# Allegro board meta_module_lay_rev1.brd (continued)
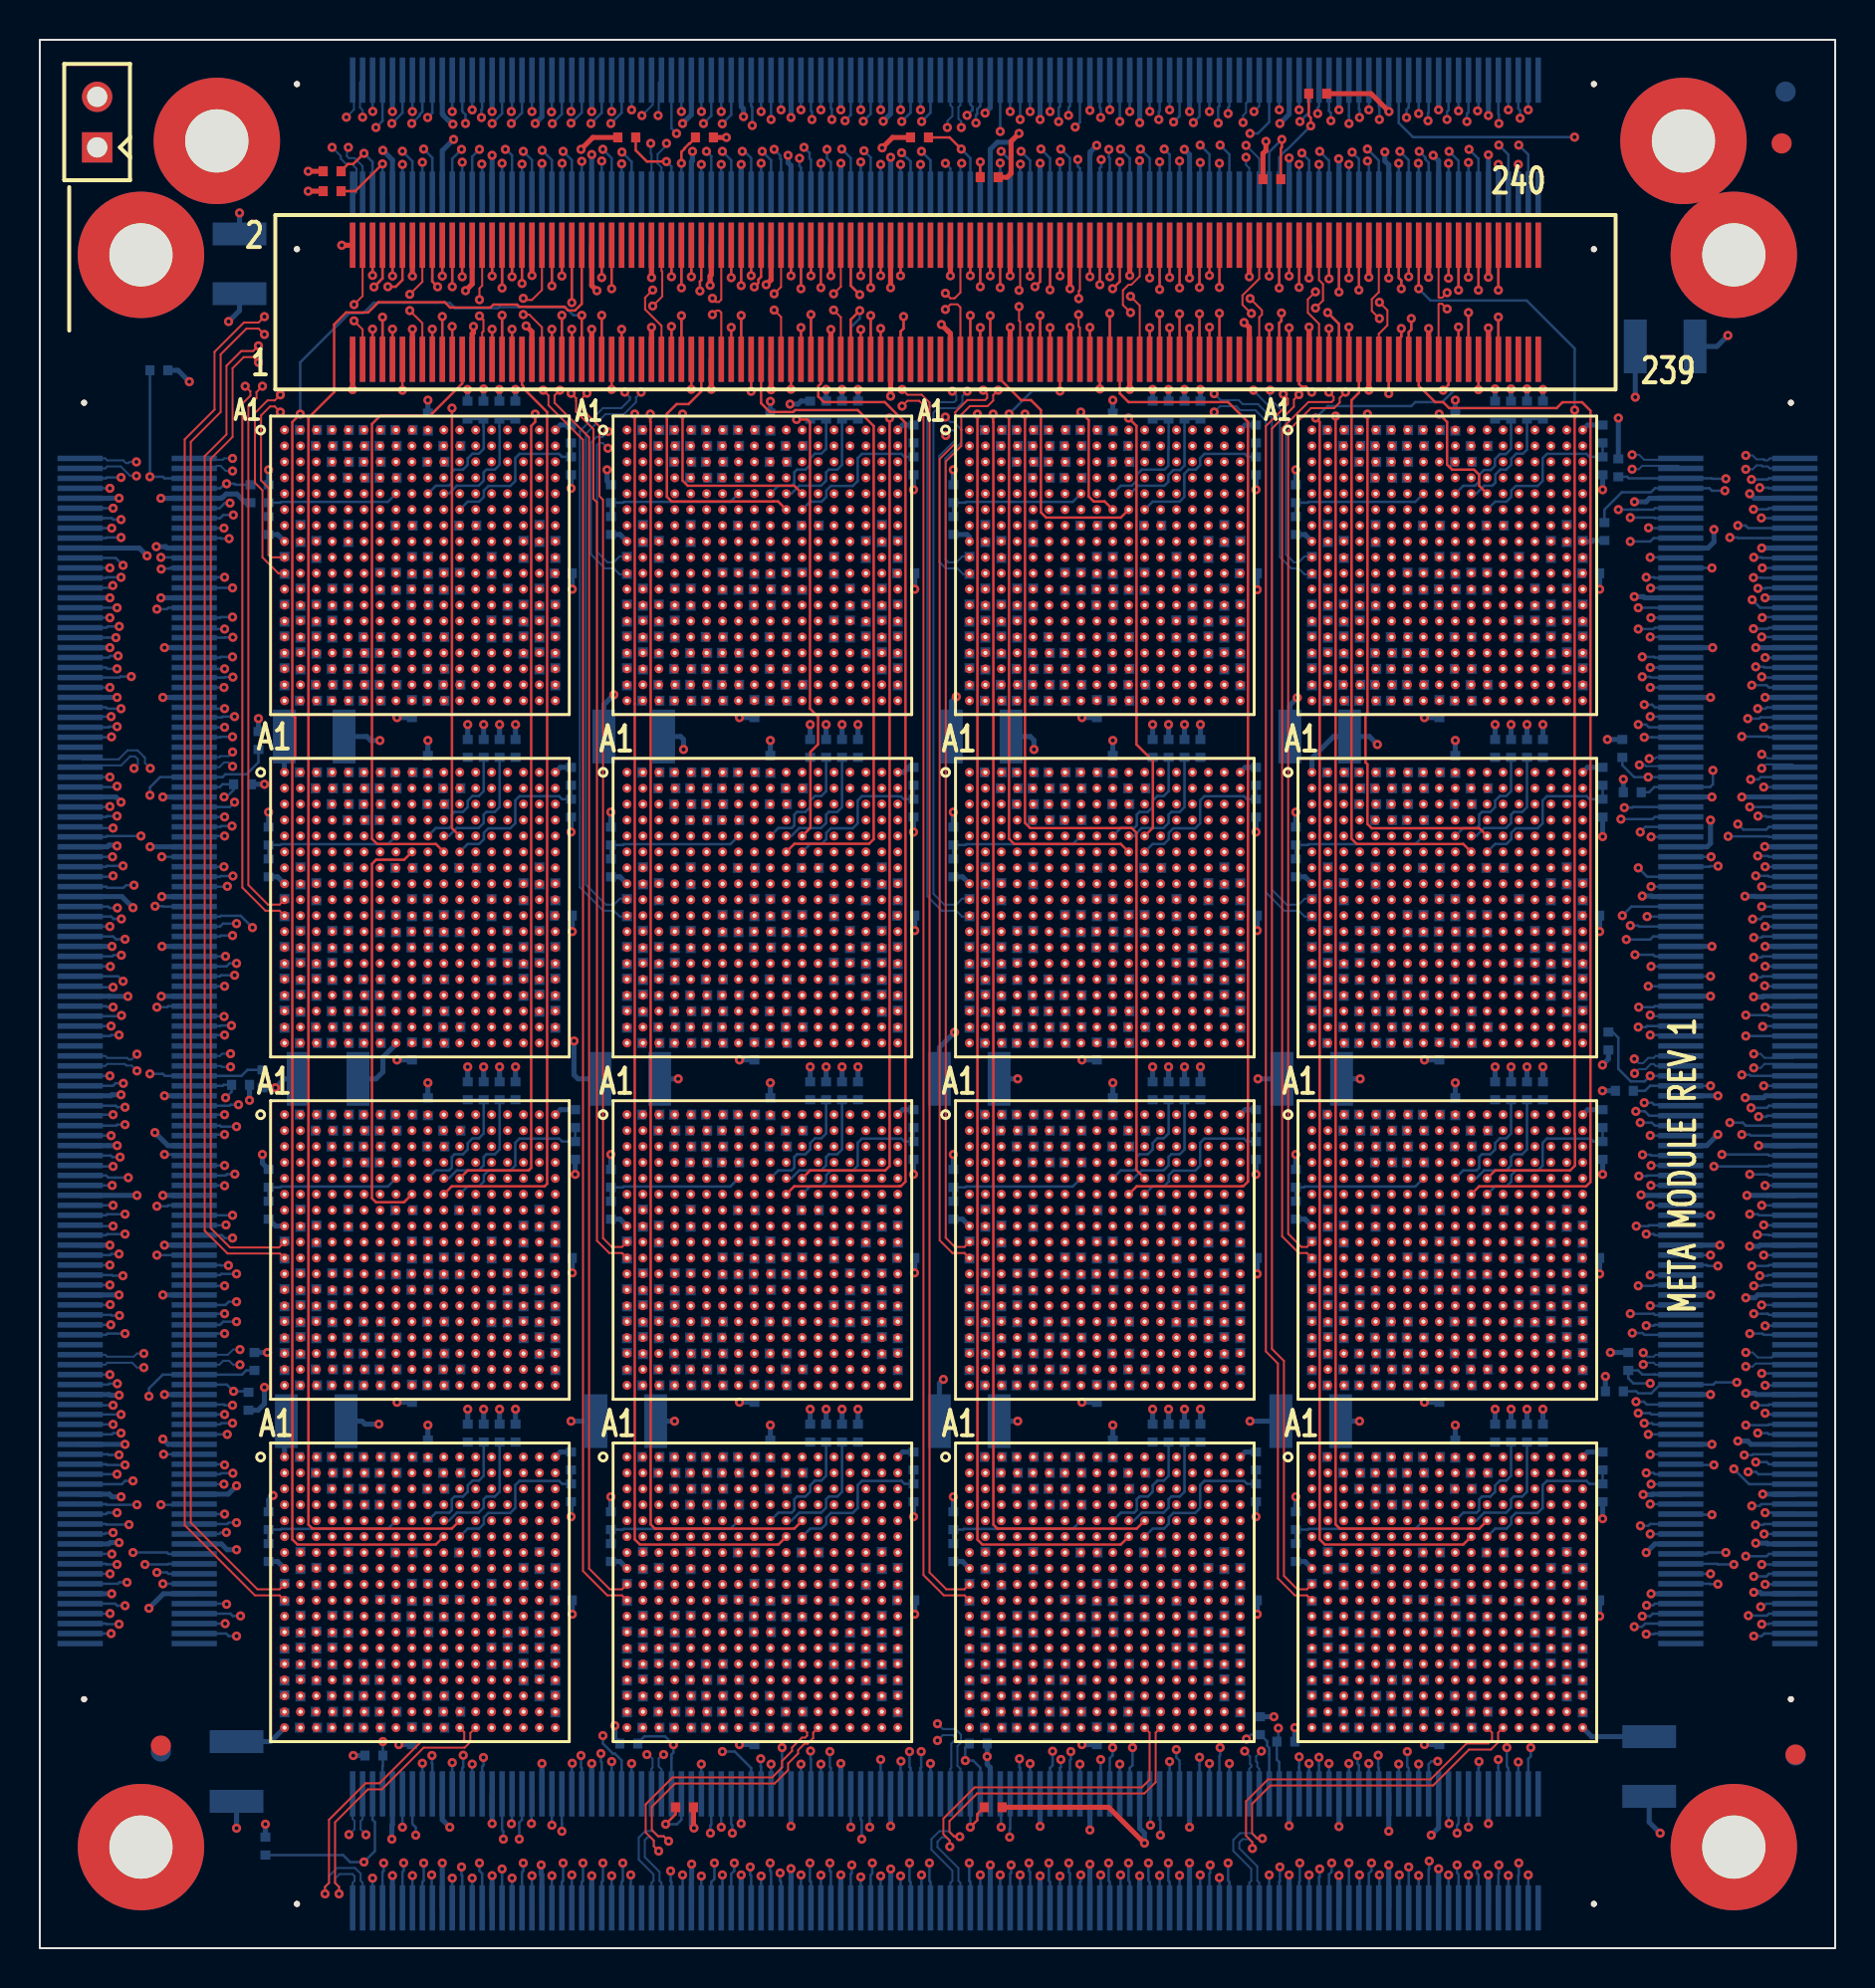
[diagram p0: board, top side]
## Nets (continued)
Q1_VDD: C3.1 C4.1 C81.1 C82.1 C83.1 C84.1 C85.1 C86.1 C87.1 C88.1 C97.1 C98.1 C99.1 C100.1 C101.1 C102.1 C103.1 C104.1 C113.1 C114.1 C115.1 C116.1 C117.1 C118.1 C119.1 C120.1 C129.1 C130.1 C131.1 C132.1 C133.1 C134.1 C135.1 C136.1 J1.41 J1.42 J1.101(41) J1.102(42) J3.161(41) J3.162(42) J3.221(41) J3.222(42) U5.H6(VDD#H6) U5.H8(VDD#H8) U5.H10(VDD#H10) U5.H12(VDD#H12) U5.J7(VDD#J7) U5.J9(VDD#J9) U5.J11(VDD#J11) U5.J13(VDD#J13) U5.K6(VDD#K6) U5.K8(VDD#K8) U5.K10(VDD#K10) U5.K12(VDD#K12) U5.L7(VDD#L7) U5.L9(VDD#L9) U5.L11(VDD#L11) U5.L13(VDD#L13) U5.M6(VDD#M6) U5.M8(VDD#M8) U5.M10(VDD#M10) U5.M12(VDD#M12) U5.N7(VDD#N7) U5.N9(VDD#N9) U5.N11(VDD#N11) U5.N13(VDD#N13) U6.H6(VDD#H6) U6.H8(VDD#H8) U6.H10(VDD#H10) U6.H12(VDD#H12) U6.J7(VDD#J7) U6.J9(VDD#J9) U6.J11(VDD#J11) U6.J13(VDD#J13) U6.K6(VDD#K6) U6.K8(VDD#K8) U6.K10(VDD#K10) U6.K12(VDD#K12) U6.L7(VDD#L7) U6.L9(VDD#L9) U6.L11(VDD#L11) U6.L13(VDD#L13) U6.M6(VDD#M6) U6.M8(VDD#M8) U6.M10(VDD#M10) U6.M12(VDD#M12) U6.N7(VDD#N7) U6.N9(VDD#N9) U6.N11(VDD#N11) U6.N13(VDD#N13) U7.H6(VDD#H6) U7.H8(VDD#H8) U7.H10(VDD#H10) U7.H12(VDD#H12) U7.J7(VDD#J7) U7.J9(VDD#J9) U7.J11(VDD#J11) U7.J13(VDD#J13) U7.K6(VDD#K6) U7.K8(VDD#K8) U7.K10(VDD#K10) U7.K12(VDD#K12) U7.L7(VDD#L7) U7.L9(VDD#L9) U7.L11(VDD#L11) U7.L13(VDD#L13) U7.M6(VDD#M6) U7.M8(VDD#M8) U7.M10(VDD#M10) U7.M12(VDD#M12) U7.N7(VDD#N7) U7.N9(VDD#N9) U7.N11(VDD#N11) U7.N13(VDD#N13) U8.H6(VDD#H6) U8.H8(VDD#H8) U8.H10(VDD#H10) U8.H12(VDD#H12) U8.J7(VDD#J7) U8.J9(VDD#J9) U8.J11(VDD#J11) U8.J13(VDD#J13) U8.K6(VDD#K6) U8.K8(VDD#K8) U8.K10(VDD#K10) U8.K12(VDD#K12) U8.L7(VDD#L7) U8.L9(VDD#L9) U8.L11(VDD#L11) U8.L13(VDD#L13) U8.M6(VDD#M6) U8.M8(VDD#M8) U8.M10(VDD#M10) U8.M12(VDD#M12) U8.N7(VDD#N7) U8.N9(VDD#N9) U8.N11(VDD#N11) U8.N13(VDD#N13)
Q1_VDDIO: C11.1 C12.1 C89.1 C90.1 C91.1 C92.1 C93.1 C94.1 C95.1 C96.1 C105.1 C106.1 C107.1 C108.1 C109.1 C110.1 C111.1 C112.1 C121.1 C122.1 C123.1 C124.1 C125.1 C126.1 C127.1 C128.1 C137.1 C138.1 C139.1 C140.1 C141.1 C142.1 C143.1 C144.1 J1.21 J1.22 J1.81(21) J1.82(22) J3.141(21) J3.142(22) J3.201(21) J3.202(22) R278.2 R279.2 R280.2 R281.2 R335.2 R336.2 R337.2 R338.2 R392.2 R393.2 R394.2 R395.2 R449.2 R450.2 R451.2 R452.2 R922.1 R924.1 R926.1 R928.1 R962.1 R963.2 R966.1 R967.2 R970.1 R971.2 R974.1 R975.2 R1025.2 R1026.2 R1035.2 R1036.2 U5.G5(DVDD#G5) U5.G7(DVDD#G7) U5.G9(DVDD#G9) U5.G11(DVDD#G11) U5.G13(DVDD#G13) U5.H14(DVDD#H14) U5.J5(DVDD#J5) U5.K14(DVDD#K14) U5.L5(DVDD#L5) U5.M14(DVDD#M14) U5.N5(DVDD#N5) U5.P6(DVDD#P6) U5.P8(DVDD#P8) U5.P10(DVDD#P10) U5.P12(DVDD#P12) U5.P14(DVDD#P14) U6.G5(DVDD#G5) U6.G7(DVDD#G7) U6.G9(DVDD#G9) U6.G11(DVDD#G11) U6.G13(DVDD#G13) U6.H14(DVDD#H14) U6.J5(DVDD#J5) U6.K14(DVDD#K14) U6.L5(DVDD#L5) U6.M14(DVDD#M14) U6.N5(DVDD#N5) U6.P6(DVDD#P6) U6.P8(DVDD#P8) U6.P10(DVDD#P10) U6.P12(DVDD#P12) U6.P14(DVDD#P14) U7.G5(DVDD#G5) U7.G7(DVDD#G7) U7.G9(DVDD#G9) U7.G11(DVDD#G11) U7.G13(DVDD#G13) U7.H14(DVDD#H14) U7.J5(DVDD#J5) U7.K14(DVDD#K14) U7.L5(DVDD#L5) U7.M14(DVDD#M14) U7.N5(DVDD#N5) U7.P6(DVDD#P6) U7.P8(DVDD#P8) U7.P10(DVDD#P10) U7.P12(DVDD#P12) U7.P14(DVDD#P14) U8.G5(DVDD#G5) U8.G7(DVDD#G7) U8.G9(DVDD#G9) U8.G11(DVDD#G11) U8.G13(DVDD#G13) U8.H14(DVDD#H14) U8.J5(DVDD#J5) U8.K14(DVDD#K14) U8.L5(DVDD#L5) U8.M14(DVDD#M14) U8.N5(DVDD#N5) U8.P6(DVDD#P6) U8.P8(DVDD#P8) U8.P10(DVDD#P10) U8.P12(DVDD#P12) U8.P14(DVDD#P14)
Q2_VDD: C5.1 C6.1 C145.1 C146.1 C147.1 C148.1 C149.1 C150.1 C151.1 C152.1 C161.1 C162.1 C163.1 C164.1 C165.1 C166.1 C167.1 C168.1 C177.1 C178.1 C179.1 C180.1 C181.1 C182.1 C183.1 C184.1 C193.1 C194.1 C195.1 C196.1 C197.1 C198.1 C199.1 C200.1 J5.19 J5.20 J5.79(19) J5.80(20) J6.139(19) J6.140(20) J6.199(19) J6.200(20) U9.H6(VDD#H6) U9.H8(VDD#H8) U9.H10(VDD#H10) U9.H12(VDD#H12) U9.J7(VDD#J7) U9.J9(VDD#J9) U9.J11(VDD#J11) U9.J13(VDD#J13) U9.K6(VDD#K6) U9.K8(VDD#K8) U9.K10(VDD#K10) U9.K12(VDD#K12) U9.L7(VDD#L7) U9.L9(VDD#L9) U9.L11(VDD#L11) U9.L13(VDD#L13) U9.M6(VDD#M6) U9.M8(VDD#M8) U9.M10(VDD#M10) U9.M12(VDD#M12) U9.N7(VDD#N7) U9.N9(VDD#N9) U9.N11(VDD#N11) U9.N13(VDD#N13) U10.H6(VDD#H6) U10.H8(VDD#H8) U10.H10(VDD#H10) U10.H12(VDD#H12) U10.J7(VDD#J7) U10.J9(VDD#J9) U10.J11(VDD#J11) U10.J13(VDD#J13) U10.K6(VDD#K6) U10.K8(VDD#K8) U10.K10(VDD#K10) U10.K12(VDD#K12) U10.L7(VDD#L7) U10.L9(VDD#L9) U10.L11(VDD#L11) U10.L13(VDD#L13) U10.M6(VDD#M6) U10.M8(VDD#M8) U10.M10(VDD#M10) U10.M12(VDD#M12) U10.N7(VDD#N7) U10.N9(VDD#N9) U10.N11(VDD#N11) U10.N13(VDD#N13) U11.H6(VDD#H6) U11.H8(VDD#H8) U11.H10(VDD#H10) U11.H12(VDD#H12) U11.J7(VDD#J7) U11.J9(VDD#J9) U11.J11(VDD#J11) U11.J13(VDD#J13) U11.K6(VDD#K6) U11.K8(VDD#K8) U11.K10(VDD#K10) U11.K12(VDD#K12) U11.L7(VDD#L7) U11.L9(VDD#L9) U11.L11(VDD#L11) U11.L13(VDD#L13) U11.M6(VDD#M6) U11.M8(VDD#M8) U11.M10(VDD#M10) U11.M12(VDD#M12) U11.N7(VDD#N7) U11.N9(VDD#N9) U11.N11(VDD#N11) U11.N13(VDD#N13) U12.H6(VDD#H6) U12.H8(VDD#H8) U12.H10(VDD#H10) U12.H12(VDD#H12) U12.J7(VDD#J7) U12.J9(VDD#J9) U12.J11(VDD#J11) U12.J13(VDD#J13) U12.K6(VDD#K6) U12.K8(VDD#K8) U12.K10(VDD#K10) U12.K12(VDD#K12) U12.L7(VDD#L7) U12.L9(VDD#L9) U12.L11(VDD#L11) U12.L13(VDD#L13) U12.M6(VDD#M6) U12.M8(VDD#M8) U12.M10(VDD#M10) U12.M12(VDD#M12) U12.N7(VDD#N7) U12.N9(VDD#N9) U12.N11(VDD#N11) U12.N13(VDD#N13)
Q2_VDDIO: C13.1 C14.1 C153.1 C154.1 C155.1 C156.1 C157.1 C158.1 C159.1 C160.1 C169.1 C170.1 C171.1 C172.1 C173.1 C174.1 C175.1 C176.1 C185.1 C186.1 C187.1 C188.1 C189.1 C190.1 C191.1 C192.1 C201.1 C202.1 C203.1 C204.1 C205.1 C206.1 C207.1 C208.1 J5.39 J5.40 J5.99(39) J5.100(40) J6.159(39) J6.160(40) J6.219(39) J6.220(40) R506.2 R507.2 R508.2 R509.2 R563.2 R564.2 R565.2 R566.2 R620.2 R621.2 R622.2 R623.2 R677.2 R678.2 R679.2 R680.2 R930.1 R932.1 R934.1 R936.1 R978.1 R979.2 R982.1 R983.2 R986.1 R987.2 R990.1 R991.2 R1009.2 R1010.2 R1019.2 R1020.2 U9.G5(DVDD#G5) U9.G7(DVDD#G7) U9.G9(DVDD#G9) U9.G11(DVDD#G11) U9.G13(DVDD#G13) U9.H14(DVDD#H14) U9.J5(DVDD#J5) U9.K14(DVDD#K14) U9.L5(DVDD#L5) U9.M14(DVDD#M14) U9.N5(DVDD#N5) U9.P6(DVDD#P6) U9.P8(DVDD#P8) U9.P10(DVDD#P10) U9.P12(DVDD#P12) U9.P14(DVDD#P14) U10.G5(DVDD#G5) U10.G7(DVDD#G7) U10.G9(DVDD#G9) U10.G11(DVDD#G11) U10.G13(DVDD#G13) U10.H14(DVDD#H14) U10.J5(DVDD#J5) U10.K14(DVDD#K14) U10.L5(DVDD#L5) U10.M14(DVDD#M14) U10.N5(DVDD#N5) U10.P6(DVDD#P6) U10.P8(DVDD#P8) U10.P10(DVDD#P10) U10.P12(DVDD#P12) U10.P14(DVDD#P14) U11.G5(DVDD#G5) U11.G7(DVDD#G7) U11.G9(DVDD#G9) U11.G11(DVDD#G11) U11.G13(DVDD#G13) U11.H14(DVDD#H14) U11.J5(DVDD#J5) U11.K14(DVDD#K14) U11.L5(DVDD#L5) U11.M14(DVDD#M14) U11.N5(DVDD#N5) U11.P6(DVDD#P6) U11.P8(DVDD#P8) U11.P10(DVDD#P10) U11.P12(DVDD#P12) U11.P14(DVDD#P14) U12.G5(DVDD#G5) U12.G7(DVDD#G7) U12.G9(DVDD#G9) U12.G11(DVDD#G11) U12.G13(DVDD#G13) U12.H14(DVDD#H14) U12.J5(DVDD#J5) U12.K14(DVDD#K14) U12.L5(DVDD#L5) U12.M14(DVDD#M14) U12.N5(DVDD#N5) U12.P6(DVDD#P6) U12.P8(DVDD#P8) U12.P10(DVDD#P10) U12.P12(DVDD#P12) U12.P14(DVDD#P14)
Q3_VDD: C7.1 C8.1 C209.1 C210.1 C211.1 C212.1 C213.1 C214.1 C215.1 C216.1 C225.1 C226.1 C227.1 C228.1 C229.1 C230.1 C231.1 C232.1 C241.1 C242.1 C243.1 C244.1 C245.1 C246.1 C247.1 C248.1 C257.1 C258.1 C259.1 C260.1 C261.1 C262.1 C263.1 C264.1 J3.41 J3.42 J3.101(41) J3.102(42) J5.139(19) J5.140(20) J5.199(19) J5.200(20) U13.H6(VDD#H6) U13.H8(VDD#H8) U13.H10(VDD#H10) U13.H12(VDD#H12) U13.J7(VDD#J7) U13.J9(VDD#J9) U13.J11(VDD#J11) U13.J13(VDD#J13) U13.K6(VDD#K6) U13.K8(VDD#K8) U13.K10(VDD#K10) U13.K12(VDD#K12) U13.L7(VDD#L7) U13.L9(VDD#L9) U13.L11(VDD#L11) U13.L13(VDD#L13) U13.M6(VDD#M6) U13.M8(VDD#M8) U13.M10(VDD#M10) U13.M12(VDD#M12) U13.N7(VDD#N7) U13.N9(VDD#N9) U13.N11(VDD#N11) U13.N13(VDD#N13) U14.H6(VDD#H6) U14.H8(VDD#H8) U14.H10(VDD#H10) U14.H12(VDD#H12) U14.J7(VDD#J7) U14.J9(VDD#J9) U14.J11(VDD#J11) U14.J13(VDD#J13) U14.K6(VDD#K6) U14.K8(VDD#K8) U14.K10(VDD#K10) U14.K12(VDD#K12) U14.L7(VDD#L7) U14.L9(VDD#L9) U14.L11(VDD#L11) U14.L13(VDD#L13) U14.M6(VDD#M6) U14.M8(VDD#M8) U14.M10(VDD#M10) U14.M12(VDD#M12) U14.N7(VDD#N7) U14.N9(VDD#N9) U14.N11(VDD#N11) U14.N13(VDD#N13) U15.H6(VDD#H6) U15.H8(VDD#H8) U15.H10(VDD#H10) U15.H12(VDD#H12) U15.J7(VDD#J7) U15.J9(VDD#J9) U15.J11(VDD#J11) U15.J13(VDD#J13) U15.K6(VDD#K6) U15.K8(VDD#K8) U15.K10(VDD#K10) U15.K12(VDD#K12) U15.L7(VDD#L7) U15.L9(VDD#L9) U15.L11(VDD#L11) U15.L13(VDD#L13) U15.M6(VDD#M6) U15.M8(VDD#M8) U15.M10(VDD#M10) U15.M12(VDD#M12) U15.N7(VDD#N7) U15.N9(VDD#N9) U15.N11(VDD#N11) U15.N13(VDD#N13) U16.H6(VDD#H6) U16.H8(VDD#H8) U16.H10(VDD#H10) U16.H12(VDD#H12) U16.J7(VDD#J7) U16.J9(VDD#J9) U16.J11(VDD#J11) U16.J13(VDD#J13) U16.K6(VDD#K6) U16.K8(VDD#K8) U16.K10(VDD#K10) U16.K12(VDD#K12) U16.L7(VDD#L7) U16.L9(VDD#L9) U16.L11(VDD#L11) U16.L13(VDD#L13) U16.M6(VDD#M6) U16.M8(VDD#M8) U16.M10(VDD#M10) U16.M12(VDD#M12) U16.N7(VDD#N7) U16.N9(VDD#N9) U16.N11(VDD#N11) U16.N13(VDD#N13)
Q3_VDDIO: C15.1 C16.1 C217.1 C218.1 C219.1 C220.1 C221.1 C222.1 C223.1 C224.1 C233.1 C234.1 C235.1 C236.1 C237.1 C238.1 C239.1 C240.1 C249.1 C250.1 C251.1 C252.1 C253.1 C254.1 C255.1 C256.1 C265.1 C266.1 C267.1 C268.1 C269.1 C270.1 C271.1 C272.1 J3.21 J3.22 J3.81(21) J3.82(22) J5.159(39) J5.160(40) J5.219(39) J5.220(40) R734.2 R735.2 R736.2 R737.2 R791.2 R792.2 R793.2 R794.2 R848.2 R849.2 R850.2 R851.2 R905.2 R906.2 R907.2 R908.2 R938.1 R940.1 R942.1 R944.1 R994.1 R995.2 R998.1 R999.2 R1002.1 R1003.2 R1006.1 R1007.2 R1011.2 R1012.2 R1027.2 R1028.2 U13.G5(DVDD#G5) U13.G7(DVDD#G7) U13.G9(DVDD#G9) U13.G11(DVDD#G11) U13.G13(DVDD#G13) U13.H14(DVDD#H14) U13.J5(DVDD#J5) U13.K14(DVDD#K14) U13.L5(DVDD#L5) U13.M14(DVDD#M14) U13.N5(DVDD#N5) U13.P6(DVDD#P6) U13.P8(DVDD#P8) U13.P10(DVDD#P10) U13.P12(DVDD#P12) U13.P14(DVDD#P14) U14.G5(DVDD#G5) U14.G7(DVDD#G7) U14.G9(DVDD#G9) U14.G11(DVDD#G11) U14.G13(DVDD#G13) U14.H14(DVDD#H14) U14.J5(DVDD#J5) U14.K14(DVDD#K14) U14.L5(DVDD#L5) U14.M14(DVDD#M14) U14.N5(DVDD#N5) U14.P6(DVDD#P6) U14.P8(DVDD#P8) U14.P10(DVDD#P10) U14.P12(DVDD#P12) U14.P14(DVDD#P14) U15.G5(DVDD#G5) U15.G7(DVDD#G7) U15.G9(DVDD#G9) U15.G11(DVDD#G11) U15.G13(DVDD#G13) U15.H14(DVDD#H14) U15.J5(DVDD#J5) U15.K14(DVDD#K14) U15.L5(DVDD#L5) U15.M14(DVDD#M14) U15.N5(DVDD#N5) U15.P6(DVDD#P6) U15.P8(DVDD#P8) U15.P10(DVDD#P10) U15.P12(DVDD#P12) U15.P14(DVDD#P14) U16.G5(DVDD#G5) U16.G7(DVDD#G7) U16.G9(DVDD#G9) U16.G11(DVDD#G11) U16.G13(DVDD#G13) U16.H14(DVDD#H14) U16.J5(DVDD#J5) U16.K14(DVDD#K14) U16.L5(DVDD#L5) U16.M14(DVDD#M14) U16.N5(DVDD#N5) U16.P6(DVDD#P6) U16.P8(DVDD#P8) U16.P10(DVDD#P10) U16.P12(DVDD#P12) U16.P14(DVDD#P14)
RESETB0: J16.11 U3.F11(RESET_N)
RESETB1: J16.71(11) U1.F11(RESET_N)
RESETB2: J16.23 U4.F11(RESET_N)
RESETB3: J16.83(23) U2.F11(RESET_N)
RESETB4: J16.131(11) U7.F11(RESET_N)
RESETB5: J16.191(11) U5.F11(RESET_N)
RESETB6: J16.143(23) U8.F11(RESET_N)
RESETB7: J16.203(23) U6.F11(RESET_N)
RESETB8: J16.35 U11.F11(RESET_N)
RESETB9: J16.95(35) U9.F11(RESET_N)
RESETB10: J16.47 U12.F11(RESET_N)
RESETB11: J16.107(47) U10.F11(RESET_N)
RESETB12: J16.155(35) U15.F11(RESET_N)
RESETB13: J16.215(35) U13.F11(RESET_N)
RESETB14: J16.167(47) U16.F11(RESET_N)
RESETB15: J16.227(47) U14.F11(RESET_N)
ROWID0_SNOW4-1_TILE-1: R110.1 R114.2 U2.F12(ROWID0)
ROWID0_SNOW4-1_TILE-2: R53.1 R57.2 U1.F12(ROWID0)
ROWID0_SNOW4-1_TILE-3: R167.1 R171.2 U3.F12(ROWID0)
ROWID0_SNOW4-1_TILE-4: R224.1 R228.2 U4.F12(ROWID0)
ROWID0_SNOW4-2_TILE-1: R338.1 R342.2 U6.F12(ROWID0)
ROWID0_SNOW4-2_TILE-2: R281.1 R285.2 U5.F12(ROWID0)
ROWID0_SNOW4-2_TILE-3: R395.1 R399.2 U7.F12(ROWID0)
ROWID0_SNOW4-2_TILE-4: R452.1 R456.2 U8.F12(ROWID0)
ROWID0_SNOW4-3_TILE-1: R566.1 R570.2 U10.F12(ROWID0)
ROWID0_SNOW4-3_TILE-2: R509.1 R513.2 U9.F12(ROWID0)
ROWID0_SNOW4-3_TILE-3: R623.1 R627.2 U11.F12(ROWID0)
ROWID0_SNOW4-3_TILE-4: R680.1 R684.2 U12.F12(ROWID0)
ROWID0_SNOW4-4_TILE-1: R794.1 R798.2 U14.F12(ROWID0)
ROWID0_SNOW4-4_TILE-2: R737.1 R741.2 U13.F12(ROWID0)
ROWID0_SNOW4-4_TILE-3: R851.1 R855.2 U15.F12(ROWID0)
ROWID0_SNOW4-4_TILE-4: R908.1 R912.2 U16.F12(ROWID0)
ROWID1_SNOW4-1_TILE-1: R109.1 R113.2 U2.E8(ROWID1)
ROWID1_SNOW4-1_TILE-2: R52.1 R56.2 U1.E8(ROWID1)
ROWID1_SNOW4-1_TILE-3: R166.1 R170.2 U3.E8(ROWID1)
ROWID1_SNOW4-1_TILE-4: R223.1 R227.2 U4.E8(ROWID1)
ROWID1_SNOW4-2_TILE-1: R337.1 R341.2 U6.E8(ROWID1)
ROWID1_SNOW4-2_TILE-2: R280.1 R284.2 U5.E8(ROWID1)
ROWID1_SNOW4-2_TILE-3: R394.1 R398.2 U7.E8(ROWID1)
ROWID1_SNOW4-2_TILE-4: R451.1 R455.2 U8.E8(ROWID1)
ROWID1_SNOW4-3_TILE-1: R565.1 R569.2 U10.E8(ROWID1)
ROWID1_SNOW4-3_TILE-2: R508.1 R512.2 U9.E8(ROWID1)
ROWID1_SNOW4-3_TILE-3: R622.1 R626.2 U11.E8(ROWID1)
ROWID1_SNOW4-3_TILE-4: R679.1 R683.2 U12.E8(ROWID1)
ROWID1_SNOW4-4_TILE-1: R793.1 R797.2 U14.E8(ROWID1)
ROWID1_SNOW4-4_TILE-2: R736.1 R740.2 U13.E8(ROWID1)
ROWID1_SNOW4-4_TILE-3: R850.1 R854.2 U15.E8(ROWID1)
ROWID1_SNOW4-4_TILE-4: R907.1 R911.2 U16.E8(ROWID1)
ROWID2: J16.173(53) U1.F10(ROWID2) U2.F10(ROWID2) U3.F10(ROWID2) U4.F10(ROWID2) U5.F10(ROWID2) U6.F10(ROWID2) U7.F10(ROWID2) U8.F10(ROWID2) U9.F10(ROWID2) U10.F10(ROWID2) U11.F10(ROWID2) U12.F10(ROWID2) U13.F10(ROWID2) U14.F10(ROWID2) U15.F10(ROWID2) U16.F10(ROWID2)
ROWID3: J16.175(55) U1.E7(ROWID3) U2.E7(ROWID3) U3.E7(ROWID3) U4.E7(ROWID3) U5.E7(ROWID3) U6.E7(ROWID3) U7.E7(ROWID3) U8.E7(ROWID3) U9.E7(ROWID3) U10.E7(ROWID3) U11.E7(ROWID3) U12.E7(ROWID3) U13.E7(ROWID3) U14.E7(ROWID3) U15.E7(ROWID3) U16.E7(ROWID3)
SN_DATA_N0: R571.2 U4.R12(SO_DATA_OUT_N0) U11.A2(NO_DATA_IN_N0)
SN_DATA_N0_SNOW4-1: R172.2 U3.R12(SO_DATA_OUT_N0) U4.A2(NO_DATA_IN_N0)
SN_DATA_N0_SNOW4-2: R400.2 U7.R12(SO_DATA_OUT_N0) U8.A2(NO_DATA_IN_N0)
SN_DATA_N0_SNOW4-3: R628.2 U11.R12(SO_DATA_OUT_N0) U12.A2(NO_DATA_IN_N0)
SN_DATA_N0_SNOW4-4: R856.2 U15.R12(SO_DATA_OUT_N0) U16.A2(NO_DATA_IN_N0)
SN_DATA_N1: R573.2 U4.T13(SO_DATA_OUT_N1) U11.B3(NO_DATA_IN_N1)
SN_DATA_N1_SNOW4-1: R174.2 U3.T13(SO_DATA_OUT_N1) U4.B3(NO_DATA_IN_N1)
SN_DATA_N1_SNOW4-2: R402.2 U7.T13(SO_DATA_OUT_N1) U8.B3(NO_DATA_IN_N1)
SN_DATA_N1_SNOW4-3: R630.2 U11.T13(SO_DATA_OUT_N1) U12.B3(NO_DATA_IN_N1)
SN_DATA_N1_SNOW4-4: R858.2 U15.T13(SO_DATA_OUT_N1) U16.B3(NO_DATA_IN_N1)
SN_DATA_N2: R575.2 U4.U14(SO_DATA_OUT_N2) U11.C4(NO_DATA_IN_N2)
SN_DATA_N2_SNOW4-1: R176.2 U3.U14(SO_DATA_OUT_N2) U4.C4(NO_DATA_IN_N2)
SN_DATA_N2_SNOW4-2: R404.2 U7.U14(SO_DATA_OUT_N2) U8.C4(NO_DATA_IN_N2)
SN_DATA_N2_SNOW4-3: R632.2 U11.U14(SO_DATA_OUT_N2) U12.C4(NO_DATA_IN_N2)
SN_DATA_N2_SNOW4-4: R860.2 U15.U14(SO_DATA_OUT_N2) U16.C4(NO_DATA_IN_N2)
SN_DATA_N3: R577.2 U4.V15(SO_DATA_OUT_N3) U11.D5(NO_DATA_IN_N3)
SN_DATA_N3_SNOW4-1: R178.2 U3.V15(SO_DATA_OUT_N3) U4.D5(NO_DATA_IN_N3)
SN_DATA_N3_SNOW4-2: R406.2 U7.V15(SO_DATA_OUT_N3) U8.D5(NO_DATA_IN_N3)
SN_DATA_N3_SNOW4-3: R634.2 U11.V15(SO_DATA_OUT_N3) U12.D5(NO_DATA_IN_N3)
SN_DATA_N3_SNOW4-4: R862.2 U15.V15(SO_DATA_OUT_N3) U16.D5(NO_DATA_IN_N3)
SN_DATA_N4: R579.2 U4.R14(SO_DATA_OUT_N4) U11.A4(NO_DATA_IN_N4)
SN_DATA_N4_SNOW4-1: R180.2 U3.R14(SO_DATA_OUT_N4) U4.A4(NO_DATA_IN_N4)
SN_DATA_N4_SNOW4-2: R408.2 U7.R14(SO_DATA_OUT_N4) U8.A4(NO_DATA_IN_N4)
SN_DATA_N4_SNOW4-3: R636.2 U11.R14(SO_DATA_OUT_N4) U12.A4(NO_DATA_IN_N4)
SN_DATA_N4_SNOW4-4: R864.2 U15.R14(SO_DATA_OUT_N4) U16.A4(NO_DATA_IN_N4)
SN_DATA_N5: R581.2 U4.T15(SO_DATA_OUT_N5) U11.B5(NO_DATA_IN_N5)
SN_DATA_N5_SNOW4-1: R182.2 U3.T15(SO_DATA_OUT_N5) U4.B5(NO_DATA_IN_N5)
SN_DATA_N5_SNOW4-2: R410.2 U7.T15(SO_DATA_OUT_N5) U8.B5(NO_DATA_IN_N5)
SN_DATA_N5_SNOW4-3: R638.2 U11.T15(SO_DATA_OUT_N5) U12.B5(NO_DATA_IN_N5)
SN_DATA_N5_SNOW4-4: R866.2 U15.T15(SO_DATA_OUT_N5) U16.B5(NO_DATA_IN_N5)
SN_DATA_N6: R572.2 U4.U16(SO_DATA_OUT_N6) U11.C6(NO_DATA_IN_N6)
SN_DATA_N6_SNOW4-1: R173.2 U3.U16(SO_DATA_OUT_N6) U4.C6(NO_DATA_IN_N6)
SN_DATA_N6_SNOW4-2: R401.2 U7.U16(SO_DATA_OUT_N6) U8.C6(NO_DATA_IN_N6)
SN_DATA_N6_SNOW4-3: R629.2 U11.U16(SO_DATA_OUT_N6) U12.C6(NO_DATA_IN_N6)
SN_DATA_N6_SNOW4-4: R857.2 U15.U16(SO_DATA_OUT_N6) U16.C6(NO_DATA_IN_N6)
SN_DATA_N7: R574.2 U4.V17(SO_DATA_OUT_N7) U11.D7(NO_DATA_IN_N7)
SN_DATA_N7_SNOW4-1: R175.2 U3.V17(SO_DATA_OUT_N7) U4.D7(NO_DATA_IN_N7)
SN_DATA_N7_SNOW4-2: R403.2 U7.V17(SO_DATA_OUT_N7) U8.D7(NO_DATA_IN_N7)
SN_DATA_N7_SNOW4-3: R631.2 U11.V17(SO_DATA_OUT_N7) U12.D7(NO_DATA_IN_N7)
SN_DATA_N7_SNOW4-4: R859.2 U15.V17(SO_DATA_OUT_N7) U16.D7(NO_DATA_IN_N7)
SN_DATA_N8: R457.2 U2.R12(SO_DATA_OUT_N0) U9.A2(NO_DATA_IN_N0)
SN_DATA_N8_SNOW4-1: R58.2 U1.R12(SO_DATA_OUT_N0) U2.A2(NO_DATA_IN_N0)
SN_DATA_N8_SNOW4-2: R286.2 U5.R12(SO_DATA_OUT_N0) U6.A2(NO_DATA_IN_N0)
SN_DATA_N8_SNOW4-3: R514.2 U9.R12(SO_DATA_OUT_N0) U10.A2(NO_DATA_IN_N0)
SN_DATA_N8_SNOW4-4: R742.2 U13.R12(SO_DATA_OUT_N0) U14.A2(NO_DATA_IN_N0)
SN_DATA_N9: R459.2 U2.T13(SO_DATA_OUT_N1) U9.B3(NO_DATA_IN_N1)
SN_DATA_N9_SNOW4-1: R60.2 U1.T13(SO_DATA_OUT_N1) U2.B3(NO_DATA_IN_N1)
SN_DATA_N9_SNOW4-2: R288.2 U5.T13(SO_DATA_OUT_N1) U6.B3(NO_DATA_IN_N1)
SN_DATA_N9_SNOW4-3: R516.2 U9.T13(SO_DATA_OUT_N1) U10.B3(NO_DATA_IN_N1)
SN_DATA_N9_SNOW4-4: R744.2 U13.T13(SO_DATA_OUT_N1) U14.B3(NO_DATA_IN_N1)
SN_DATA_N10: R461.2 U2.U14(SO_DATA_OUT_N2) U9.C4(NO_DATA_IN_N2)
SN_DATA_N10_SNOW4-1: R62.2 U1.U14(SO_DATA_OUT_N2) U2.C4(NO_DATA_IN_N2)
SN_DATA_N10_SNOW4-2: R290.2 U5.U14(SO_DATA_OUT_N2) U6.C4(NO_DATA_IN_N2)
SN_DATA_N10_SNOW4-3: R518.2 U9.U14(SO_DATA_OUT_N2) U10.C4(NO_DATA_IN_N2)
SN_DATA_N10_SNOW4-4: R746.2 U13.U14(SO_DATA_OUT_N2) U14.C4(NO_DATA_IN_N2)
SN_DATA_N11: R463.2 U2.V15(SO_DATA_OUT_N3) U9.D5(NO_DATA_IN_N3)
SN_DATA_N11_SNOW4-1: R64.2 U1.V15(SO_DATA_OUT_N3) U2.D5(NO_DATA_IN_N3)
SN_DATA_N11_SNOW4-2: R292.2 U5.V15(SO_DATA_OUT_N3) U6.D5(NO_DATA_IN_N3)
SN_DATA_N11_SNOW4-3: R520.2 U9.V15(SO_DATA_OUT_N3) U10.D5(NO_DATA_IN_N3)
SN_DATA_N11_SNOW4-4: R748.2 U13.V15(SO_DATA_OUT_N3) U14.D5(NO_DATA_IN_N3)
SN_DATA_N12: R465.2 U2.R14(SO_DATA_OUT_N4) U9.A4(NO_DATA_IN_N4)
SN_DATA_N12_SNOW4-1: R66.2 U1.R14(SO_DATA_OUT_N4) U2.A4(NO_DATA_IN_N4)
SN_DATA_N12_SNOW4-2: R294.2 U5.R14(SO_DATA_OUT_N4) U6.A4(NO_DATA_IN_N4)
SN_DATA_N12_SNOW4-3: R522.2 U9.R14(SO_DATA_OUT_N4) U10.A4(NO_DATA_IN_N4)
SN_DATA_N12_SNOW4-4: R750.2 U13.R14(SO_DATA_OUT_N4) U14.A4(NO_DATA_IN_N4)
SN_DATA_N13: R467.2 U2.T15(SO_DATA_OUT_N5) U9.B5(NO_DATA_IN_N5)
SN_DATA_N13_SNOW4-1: R68.2 U1.T15(SO_DATA_OUT_N5) U2.B5(NO_DATA_IN_N5)
SN_DATA_N13_SNOW4-2: R296.2 U5.T15(SO_DATA_OUT_N5) U6.B5(NO_DATA_IN_N5)
SN_DATA_N13_SNOW4-3: R524.2 U9.T15(SO_DATA_OUT_N5) U10.B5(NO_DATA_IN_N5)
SN_DATA_N13_SNOW4-4: R752.2 U13.T15(SO_DATA_OUT_N5) U14.B5(NO_DATA_IN_N5)
SN_DATA_N14: R458.2 U2.U16(SO_DATA_OUT_N6) U9.C6(NO_DATA_IN_N6)
SN_DATA_N14_SNOW4-1: R59.2 U1.U16(SO_DATA_OUT_N6) U2.C6(NO_DATA_IN_N6)
SN_DATA_N14_SNOW4-2: R287.2 U5.U16(SO_DATA_OUT_N6) U6.C6(NO_DATA_IN_N6)
SN_DATA_N14_SNOW4-3: R515.2 U9.U16(SO_DATA_OUT_N6) U10.C6(NO_DATA_IN_N6)
SN_DATA_N14_SNOW4-4: R743.2 U13.U16(SO_DATA_OUT_N6) U14.C6(NO_DATA_IN_N6)
SN_DATA_N15: R460.2 U2.V17(SO_DATA_OUT_N7) U9.D7(NO_DATA_IN_N7)
SN_DATA_N15_SNOW4-1: R61.2 U1.V17(SO_DATA_OUT_N7) U2.D7(NO_DATA_IN_N7)
SN_DATA_N15_SNOW4-2: R289.2 U5.V17(SO_DATA_OUT_N7) U6.D7(NO_DATA_IN_N7)
SN_DATA_N15_SNOW4-3: R517.2 U9.V17(SO_DATA_OUT_N7) U10.D7(NO_DATA_IN_N7)
SN_DATA_N15_SNOW4-4: R745.2 U13.V17(SO_DATA_OUT_N7) U14.D7(NO_DATA_IN_N7)
SN_DATA_N16: R799.2 U8.R12(SO_DATA_OUT_N0) U15.A2(NO_DATA_IN_N0)
SN_DATA_N17: R801.2 U8.T13(SO_DATA_OUT_N1) U15.B3(NO_DATA_IN_N1)
SN_DATA_N18: R803.2 U8.U14(SO_DATA_OUT_N2) U15.C4(NO_DATA_IN_N2)
SN_DATA_N19: R805.2 U8.V15(SO_DATA_OUT_N3) U15.D5(NO_DATA_IN_N3)
SN_DATA_N20: R807.2 U8.R14(SO_DATA_OUT_N4) U15.A4(NO_DATA_IN_N4)
SN_DATA_N21: R809.2 U8.T15(SO_DATA_OUT_N5) U15.B5(NO_DATA_IN_N5)
SN_DATA_N22: R800.2 U8.U16(SO_DATA_OUT_N6) U15.C6(NO_DATA_IN_N6)
SN_DATA_N23: R802.2 U8.V17(SO_DATA_OUT_N7) U15.D7(NO_DATA_IN_N7)
SN_DATA_N24: R685.2 U6.R12(SO_DATA_OUT_N0) U13.A2(NO_DATA_IN_N0)
SN_DATA_N25: R687.2 U6.T13(SO_DATA_OUT_N1) U13.B3(NO_DATA_IN_N1)
SN_DATA_N26: R689.2 U6.U14(SO_DATA_OUT_N2) U13.C4(NO_DATA_IN_N2)
SN_DATA_N27: R691.2 U6.V15(SO_DATA_OUT_N3) U13.D5(NO_DATA_IN_N3)
SN_DATA_N28: R693.2 U6.R14(SO_DATA_OUT_N4) U13.A4(NO_DATA_IN_N4)
SN_DATA_N29: R695.2 U6.T15(SO_DATA_OUT_N5) U13.B5(NO_DATA_IN_N5)
SN_DATA_N30: R686.2 U6.U16(SO_DATA_OUT_N6) U13.C6(NO_DATA_IN_N6)
SN_DATA_N31: R688.2 U6.V17(SO_DATA_OUT_N7) U13.D7(NO_DATA_IN_N7)
SN_DATA_P0: R571.1 U4.R11(SO_DATA_OUT_P0) U11.A3(NO_DATA_IN_P0)
SN_DATA_P0_SNOW4-1: R172.1 U3.R11(SO_DATA_OUT_P0) U4.A3(NO_DATA_IN_P0)
SN_DATA_P0_SNOW4-2: R400.1 U7.R11(SO_DATA_OUT_P0) U8.A3(NO_DATA_IN_P0)
SN_DATA_P0_SNOW4-3: R628.1 U11.R11(SO_DATA_OUT_P0) U12.A3(NO_DATA_IN_P0)
SN_DATA_P0_SNOW4-4: R856.1 U15.R11(SO_DATA_OUT_P0) U16.A3(NO_DATA_IN_P0)
SN_DATA_P1: R573.1 U4.T12(SO_DATA_OUT_P1) U11.B4(NO_DATA_IN_P1)
SN_DATA_P1_SNOW4-1: R174.1 U3.T12(SO_DATA_OUT_P1) U4.B4(NO_DATA_IN_P1)
SN_DATA_P1_SNOW4-2: R402.1 U7.T12(SO_DATA_OUT_P1) U8.B4(NO_DATA_IN_P1)
SN_DATA_P1_SNOW4-3: R630.1 U11.T12(SO_DATA_OUT_P1) U12.B4(NO_DATA_IN_P1)
SN_DATA_P1_SNOW4-4: R858.1 U15.T12(SO_DATA_OUT_P1) U16.B4(NO_DATA_IN_P1)
SN_DATA_P2: R575.1 U4.U13(SO_DATA_OUT_P2) U11.C5(NO_DATA_IN_P2)
SN_DATA_P2_SNOW4-1: R176.1 U3.U13(SO_DATA_OUT_P2) U4.C5(NO_DATA_IN_P2)
SN_DATA_P2_SNOW4-2: R404.1 U7.U13(SO_DATA_OUT_P2) U8.C5(NO_DATA_IN_P2)
SN_DATA_P2_SNOW4-3: R632.1 U11.U13(SO_DATA_OUT_P2) U12.C5(NO_DATA_IN_P2)
SN_DATA_P2_SNOW4-4: R860.1 U15.U13(SO_DATA_OUT_P2) U16.C5(NO_DATA_IN_P2)
SN_DATA_P3: R577.1 U4.V14(SO_DATA_OUT_P3) U11.D6(NO_DATA_IN_P3)
SN_DATA_P3_SNOW4-1: R178.1 U3.V14(SO_DATA_OUT_P3) U4.D6(NO_DATA_IN_P3)
SN_DATA_P3_SNOW4-2: R406.1 U7.V14(SO_DATA_OUT_P3) U8.D6(NO_DATA_IN_P3)
SN_DATA_P3_SNOW4-3: R634.1 U11.V14(SO_DATA_OUT_P3) U12.D6(NO_DATA_IN_P3)
SN_DATA_P3_SNOW4-4: R862.1 U15.V14(SO_DATA_OUT_P3) U16.D6(NO_DATA_IN_P3)
SN_DATA_P4: R579.1 U4.R13(SO_DATA_OUT_P4) U11.A5(NO_DATA_IN_P4)
SN_DATA_P4_SNOW4-1: R180.1 U3.R13(SO_DATA_OUT_P4) U4.A5(NO_DATA_IN_P4)
SN_DATA_P4_SNOW4-2: R408.1 U7.R13(SO_DATA_OUT_P4) U8.A5(NO_DATA_IN_P4)
SN_DATA_P4_SNOW4-3: R636.1 U11.R13(SO_DATA_OUT_P4) U12.A5(NO_DATA_IN_P4)
SN_DATA_P4_SNOW4-4: R864.1 U15.R13(SO_DATA_OUT_P4) U16.A5(NO_DATA_IN_P4)
SN_DATA_P5: R581.1 U4.T14(SO_DATA_OUT_P5) U11.B6(NO_DATA_IN_P5)
SN_DATA_P5_SNOW4-1: R182.1 U3.T14(SO_DATA_OUT_P5) U4.B6(NO_DATA_IN_P5)
SN_DATA_P5_SNOW4-2: R410.1 U7.T14(SO_DATA_OUT_P5) U8.B6(NO_DATA_IN_P5)
SN_DATA_P5_SNOW4-3: R638.1 U11.T14(SO_DATA_OUT_P5) U12.B6(NO_DATA_IN_P5)
SN_DATA_P5_SNOW4-4: R866.1 U15.T14(SO_DATA_OUT_P5) U16.B6(NO_DATA_IN_P5)
SN_DATA_P6: R572.1 U4.U15(SO_DATA_OUT_P6) U11.C7(NO_DATA_IN_P6)
SN_DATA_P6_SNOW4-1: R173.1 U3.U15(SO_DATA_OUT_P6) U4.C7(NO_DATA_IN_P6)
SN_DATA_P6_SNOW4-2: R401.1 U7.U15(SO_DATA_OUT_P6) U8.C7(NO_DATA_IN_P6)
SN_DATA_P6_SNOW4-3: R629.1 U11.U15(SO_DATA_OUT_P6) U12.C7(NO_DATA_IN_P6)
SN_DATA_P6_SNOW4-4: R857.1 U15.U15(SO_DATA_OUT_P6) U16.C7(NO_DATA_IN_P6)
SN_DATA_P7: R574.1 U4.V16(SO_DATA_OUT_P7) U11.D8(NO_DATA_IN_P7)
SN_DATA_P7_SNOW4-1: R175.1 U3.V16(SO_DATA_OUT_P7) U4.D8(NO_DATA_IN_P7)
SN_DATA_P7_SNOW4-2: R403.1 U7.V16(SO_DATA_OUT_P7) U8.D8(NO_DATA_IN_P7)
SN_DATA_P7_SNOW4-3: R631.1 U11.V16(SO_DATA_OUT_P7) U12.D8(NO_DATA_IN_P7)
SN_DATA_P7_SNOW4-4: R859.1 U15.V16(SO_DATA_OUT_P7) U16.D8(NO_DATA_IN_P7)
SN_DATA_P8: R457.1 U2.R11(SO_DATA_OUT_P0) U9.A3(NO_DATA_IN_P0)
SN_DATA_P8_SNOW4-1: R58.1 U1.R11(SO_DATA_OUT_P0) U2.A3(NO_DATA_IN_P0)
SN_DATA_P8_SNOW4-2: R286.1 U5.R11(SO_DATA_OUT_P0) U6.A3(NO_DATA_IN_P0)
SN_DATA_P8_SNOW4-3: R514.1 U9.R11(SO_DATA_OUT_P0) U10.A3(NO_DATA_IN_P0)
SN_DATA_P8_SNOW4-4: R742.1 U13.R11(SO_DATA_OUT_P0) U14.A3(NO_DATA_IN_P0)
SN_DATA_P9: R459.1 U2.T12(SO_DATA_OUT_P1) U9.B4(NO_DATA_IN_P1)
SN_DATA_P9_SNOW4-1: R60.1 U1.T12(SO_DATA_OUT_P1) U2.B4(NO_DATA_IN_P1)
SN_DATA_P9_SNOW4-2: R288.1 U5.T12(SO_DATA_OUT_P1) U6.B4(NO_DATA_IN_P1)
SN_DATA_P9_SNOW4-3: R516.1 U9.T12(SO_DATA_OUT_P1) U10.B4(NO_DATA_IN_P1)
SN_DATA_P9_SNOW4-4: R744.1 U13.T12(SO_DATA_OUT_P1) U14.B4(NO_DATA_IN_P1)
SN_DATA_P10: R461.1 U2.U13(SO_DATA_OUT_P2) U9.C5(NO_DATA_IN_P2)
SN_DATA_P10_SNOW4-1: R62.1 U1.U13(SO_DATA_OUT_P2) U2.C5(NO_DATA_IN_P2)
SN_DATA_P10_SNOW4-2: R290.1 U5.U13(SO_DATA_OUT_P2) U6.C5(NO_DATA_IN_P2)
SN_DATA_P10_SNOW4-3: R518.1 U9.U13(SO_DATA_OUT_P2) U10.C5(NO_DATA_IN_P2)
SN_DATA_P10_SNOW4-4: R746.1 U13.U13(SO_DATA_OUT_P2) U14.C5(NO_DATA_IN_P2)
SN_DATA_P11: R463.1 U2.V14(SO_DATA_OUT_P3) U9.D6(NO_DATA_IN_P3)
SN_DATA_P11_SNOW4-1: R64.1 U1.V14(SO_DATA_OUT_P3) U2.D6(NO_DATA_IN_P3)
SN_DATA_P11_SNOW4-2: R292.1 U5.V14(SO_DATA_OUT_P3) U6.D6(NO_DATA_IN_P3)
SN_DATA_P11_SNOW4-3: R520.1 U9.V14(SO_DATA_OUT_P3) U10.D6(NO_DATA_IN_P3)
SN_DATA_P11_SNOW4-4: R748.1 U13.V14(SO_DATA_OUT_P3) U14.D6(NO_DATA_IN_P3)
SN_DATA_P12: R465.1 U2.R13(SO_DATA_OUT_P4) U9.A5(NO_DATA_IN_P4)
SN_DATA_P12_SNOW4-1: R66.1 U1.R13(SO_DATA_OUT_P4) U2.A5(NO_DATA_IN_P4)
SN_DATA_P12_SNOW4-2: R294.1 U5.R13(SO_DATA_OUT_P4) U6.A5(NO_DATA_IN_P4)
SN_DATA_P12_SNOW4-3: R522.1 U9.R13(SO_DATA_OUT_P4) U10.A5(NO_DATA_IN_P4)
SN_DATA_P12_SNOW4-4: R750.1 U13.R13(SO_DATA_OUT_P4) U14.A5(NO_DATA_IN_P4)
SN_DATA_P13: R467.1 U2.T14(SO_DATA_OUT_P5) U9.B6(NO_DATA_IN_P5)
SN_DATA_P13_SNOW4-1: R68.1 U1.T14(SO_DATA_OUT_P5) U2.B6(NO_DATA_IN_P5)
SN_DATA_P13_SNOW4-2: R296.1 U5.T14(SO_DATA_OUT_P5) U6.B6(NO_DATA_IN_P5)
SN_DATA_P13_SNOW4-3: R524.1 U9.T14(SO_DATA_OUT_P5) U10.B6(NO_DATA_IN_P5)
SN_DATA_P13_SNOW4-4: R752.1 U13.T14(SO_DATA_OUT_P5) U14.B6(NO_DATA_IN_P5)
SN_DATA_P14: R458.1 U2.U15(SO_DATA_OUT_P6) U9.C7(NO_DATA_IN_P6)
SN_DATA_P14_SNOW4-1: R59.1 U1.U15(SO_DATA_OUT_P6) U2.C7(NO_DATA_IN_P6)
SN_DATA_P14_SNOW4-2: R287.1 U5.U15(SO_DATA_OUT_P6) U6.C7(NO_DATA_IN_P6)
SN_DATA_P14_SNOW4-3: R515.1 U9.U15(SO_DATA_OUT_P6) U10.C7(NO_DATA_IN_P6)